# Allegro board parallella_gen1.brd (continued)
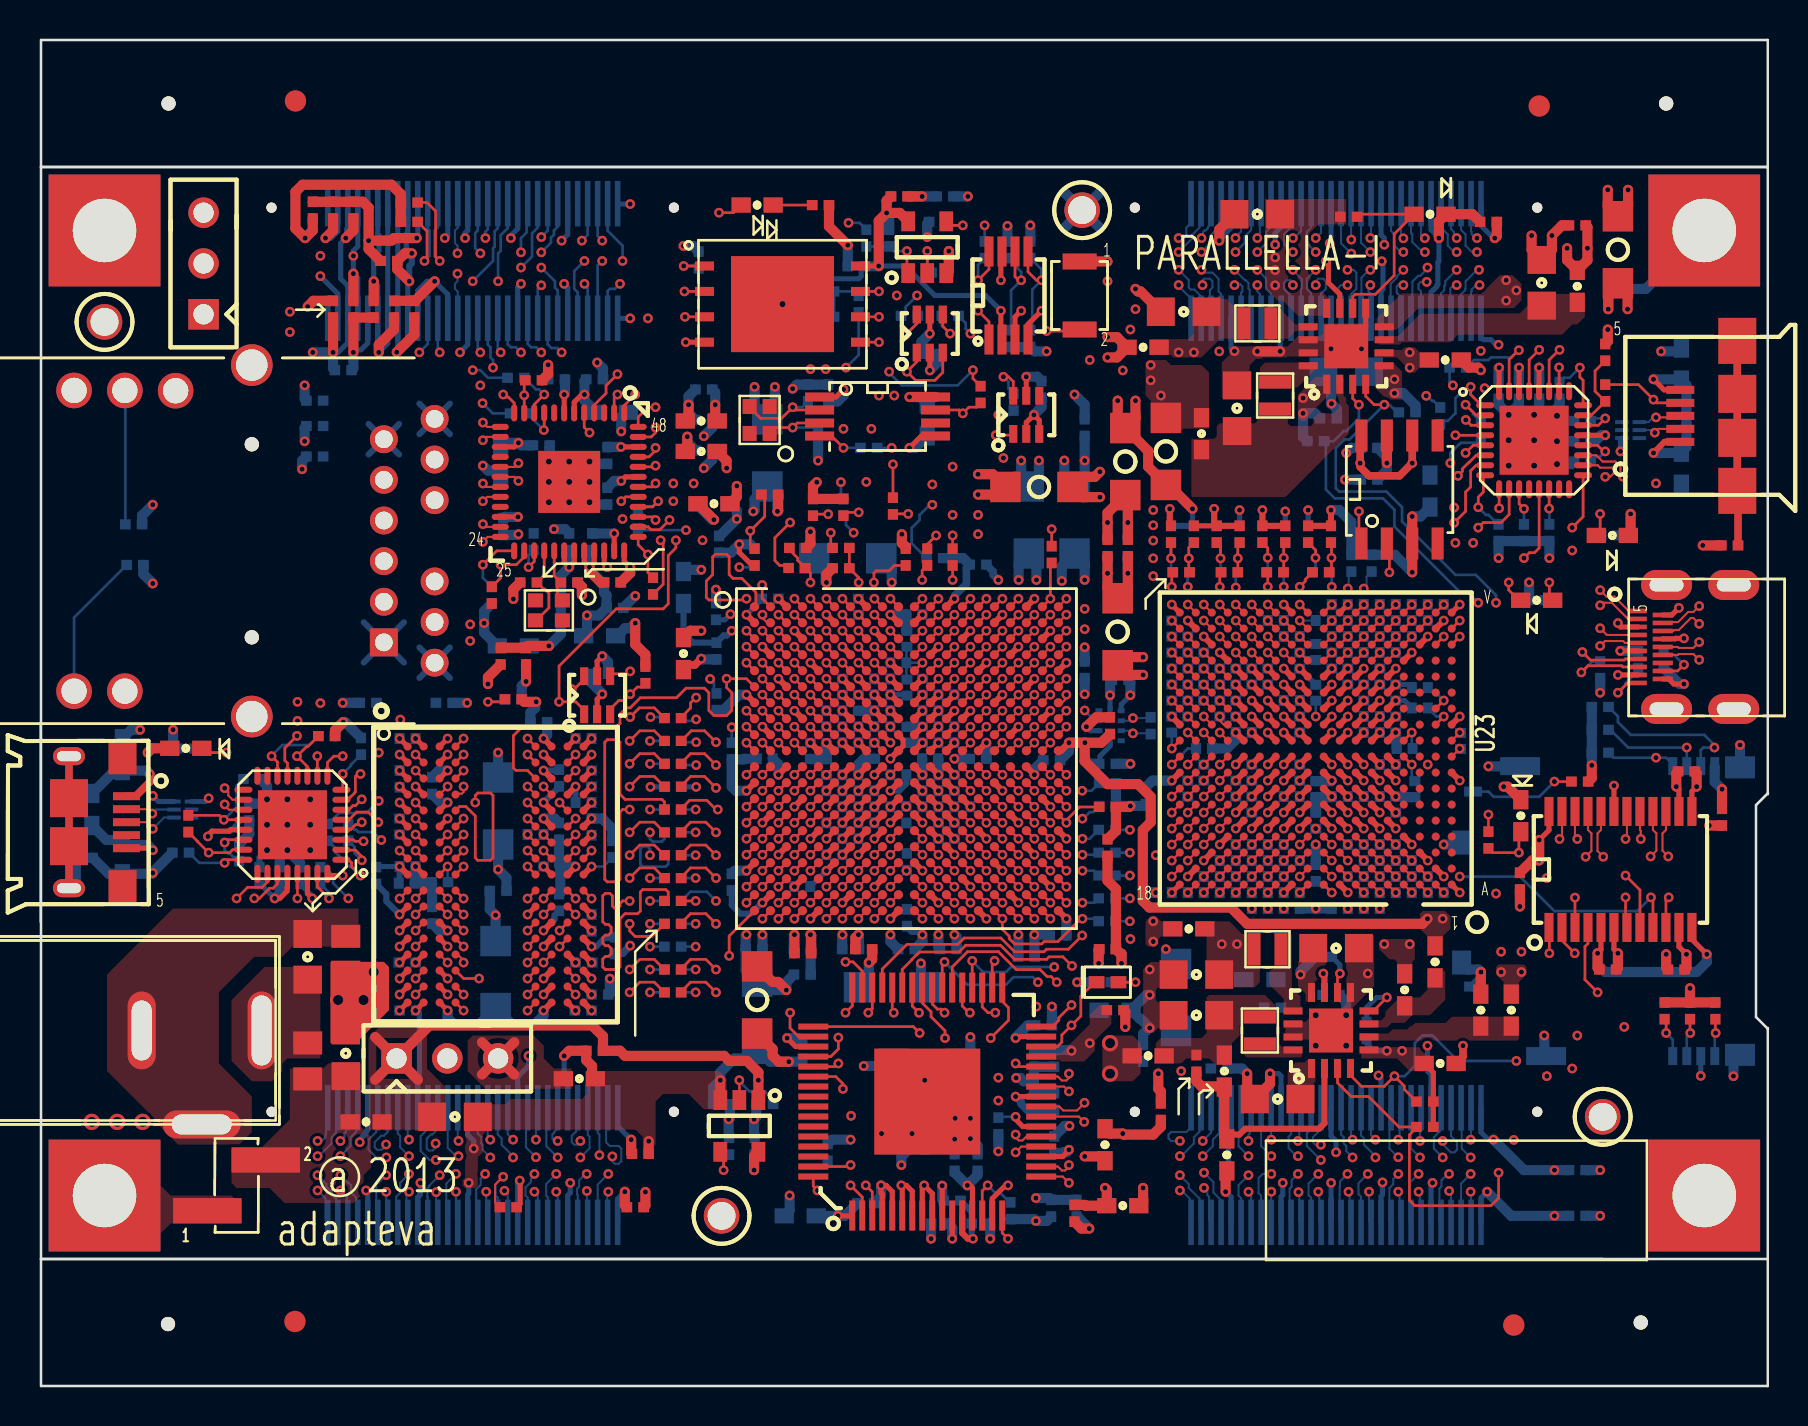
[diagram p0: board, top side]
## Routing (per net, layer and track width the routed paths; a pad name or vN(x,y) marks a point on that pad's centre or on a via; arc(x,y) is an arc through that point) (continued)
  BOTTOM w0.102: J9.39 62.51,53.46 62.51,54.58 62.22,54.86 62.22,55.17 62.35,55.3 62.56,55.3 62.66,55.19 v1(62.66,55.05)
UART_RX: length 46.9
  TOP w0.133: R40.2 30.09,34.95 29.87,34.95 v1(29.52,34.59) 29.2,34.28 28.95,34.28 28.52,33.85 U5.3
  L5_SIG w0.108: J2.2 9.2,55.12 13.84,55.12 13.86,55.1 14.19,55.1 14.2,55.12 16.06,55.12 16.18,55.24 16.18,55.5 16.44,55.75 20.25,55.75 20.63,56.13 22.02,56.13 v1(22.91,55.24)
  L8_SIG w0.108: v1(22.91,55.24) 22.91,54.48 24.56,52.83 25.83,52.83 26.85,51.82 26.85,51.05 28.12,49.78 28.12,42.29 29.01,41.4 29.01,35.1 v1(29.52,34.59)
  BOTTOM w0.133: v1(22.91,55.24) 22.91,56.64 23.04,56.77 23.04,57.55 23.39,57.9 J13.24
UART_TX: length 42.8
  TOP w0.133: U5.6 27.22,35.34 26.72,34.85 v1(26.6,34.85)
  L5_SIG w0.108: J2.1 9.2,54.61 21.01,54.61 v1(21.64,55.24)
  L8_SIG w0.108: v1(26.6,34.85) 26.6,40.06 27.09,40.55 27.09,41.11 27.1,41.13 27.1,43.61 26.98,43.74 26.98,48.69 26.72,48.95 26.72,50.42 25.58,51.56 25.58,51.94 25.2,52.32 24.56,52.32 v1(21.64,55.24)
  BOTTOM w0.133: v1(21.64,55.24) 22.66,56.26 22.66,56.9 22.74,56.98 22.74,57.74 22.89,57.89 J13.26
USB_VBUS: length 16.6
  TOP w0.254: v1(8.4,27.48) 8.4,27.55 8.6,27.75 9.45,27.75 9.52,27.82 U17.21
  TOP w0.508: 22.91,16.38 23.72,17.19 ; 22.91,16.38 22.11,15.58 ; 22.91,16.38 22.11,17.19 ; 22.91,16.38 23.72,15.58
  L8_SIG w0.508: 22.21,15.68 22.91,16.38 ; 22.91,16.38 23.61,15.68 ; 22.91,16.38 22.21,17.08
  BOTTOM w0.254: TVS2.6 5.93,29.23 v1(5.64,29.51) ; v1(8.4,27.48) 8.65,27.74 9.5,27.74 10.05,28.28 C68.1
  BOTTOM w0.508: v1(5.01,32.82) 4.56,32.82 4.12,32.37 ; R100.2 6.66,32.09 v1(6.66,32.82) ; C68.1 10.47,27.6 R103.2
USER_LED: length 43.1
  TOP w0.133: CR10.2 34.69,58.67 v1(33.96,58.67) ; v1(39.55,42.67) 39.55,42 R334.2
  L3_SIG w0.108: v1(39.55,42.67) 39.55,42.93 40.06,43.43 40.06,43.94 39.55,44.45 38.66,44.45 38.28,44.83 38.28,47.24 40.82,49.78 40.82,51.82 41.84,52.83 42.09,52.83 42.46,53.2 42.46,56.79 41.58,57.66 38.15,57.66 37.14,58.67 v1(33.96,58.67) 32.82,57.53 29.77,57.53 29.39,57.91 22.79,57.91 v1(22.28,57.4)
  BOTTOM w0.133: v1(22.28,57.4) 22.28,57.72 22.39,57.84 J13.28
VADC_N: length 52.1
  TOP w0.102: v1(42.53,30.57) U2.L10
  L8_SIG w0.095: v1(41.96,49.53) 41.96,49.83 42.46,50.33 43.95,50.33 44.76,49.53 44.76,46.84 44,46.08 44,44.12 44.25,43.87 44.25,43.31 44,43.05 44,41.53 43.61,41.15 43.61,33.02 43.41,32.82 43.41,31.67 42.98,31.24 42.98,31.01 v1(42.53,30.57)
  L10_SIG w0.095: v1(20.88,55.63) 20.88,55.88 21.06,56.06 21.54,56.06 22.1,55.5 22.1,55.37 22.1,53.77 22.91,52.96 28.5,52.96 28.93,52.53 31.37,52.53 31.55,52.7 39.12,52.7 40.9,50.93 40.9,50.55 41.91,49.53 v1(41.96,49.53)
  BOTTOM w0.102: J13.33 20.89,54.73 20.75,54.86 20.75,55.12 20.88,55.24 v1(20.88,55.63)
VADC_P: length 52
  TOP w0.102: U2.K9 v1(41.73,32.17)
  L8_SIG w0.095: v1(41.73,32.17) 42.14,31.76 42.86,31.76 43.11,32 43.11,32.94 43.31,33.15 43.31,41.27 43.69,41.66 43.69,43.26 43.87,43.43 43.87,43.81 43.69,43.99 43.69,46.2 44.45,46.96 44.45,49.4 43.83,50.03 42.59,50.03 42.39,49.83 42.39,49.66 42.52,49.53 v1(42.73,49.53)
  L10_SIG w0.095: v1(42.73,49.53) 42.22,50.04 41.84,50.04 41.2,50.67 41.2,51.05 39.25,53.01 31.68,53.01 31.68,53.01 31.42,53.01 31.24,52.83 29.06,52.83 28.63,53.26 28.37,53.26 28.37,53.26 23.04,53.26 22.41,53.9 22.41,55.63 21.67,56.36 21.16,56.36 v1(20.88,56.64)
  BOTTOM w0.102: v1(20.88,56.64) 20.88,57.02 20.75,57.15 20.75,57.78 20.89,57.92 J13.34
VMODE_1: length 6.8
  TOP w0.133: R43.2 37.48,41.82 37.9,41.4 37.9,41.29 R75.1 38.53,40.65 v1(38.53,40.18) ; U2.D5 v1(38.53,36.97)
  L3_SIG w0.108: v1(38.53,36.97) 38.14,37.37 38.14,38.73 38.37,38.97 38.69,38.97 38.93,39.21 38.93,39.53 38.66,39.8 38.66,40.05 v1(38.53,40.18)
ZYNQ_VCCPLL: length 2.9
  TOP w0.133: U2.G8 v1(40.93,34.57)
  TOP w0.508: C172.1 v1(33.71,43.32)
  BOTTOM w0.508: C172.1 32.91,44.03 33.62,43.32 v1(33.71,43.32)
N20734701: length 1.7
  TOP w0.133: U2.R10 v1(42.53,27.37)
  BOTTOM w0.133: R4.1 43.32,28.16 v1(42.53,27.37)
N20734785: length 1.6
  TOP w0.133: v1(44.14,27.37) U2.R11
  BOTTOM w0.133: R3.1 43.4,26.63 43.94,27.17 v1(44.14,27.37)
N20734865: length 7.6
  TOP w0.254: U2.K10 43.17,32 43.17,32.31 42.93,32.54 U2.J10
  TOP w0.305: U2.K10 42.93,31.77 v1(42.53,31.37) ; U2.L9 v1(41.73,30.57)
  L5_SIG w0.108: v1(42.53,31.37) 42.53,31.37 v1(41.73,30.57)
  BOTTOM w0.305: FB2.2 32.18,37.64 32.65,37.17 C16.1 34.2,37.53 34.36,37.53 v1(34.6,37.77)
N20879833: length 6.4
  TOP w0.133: U2.D9 v1(41.73,36.97) ; v1(44.12,40.31) 44.12,40.78 R32.1
  L3_SIG w0.108: v1(44.12,40.31) 43.74,39.93 43.74,37.77 43.34,37.37 42.14,37.37 v1(41.73,36.97)
N20899839: length 7
  TOP w0.133: R296.1 v1(45.65,40.31) ; U2.F14 v1(46.54,35.37)
  L3_SIG w0.108: v1(45.65,40.31) 45.33,40 45.33,36.81 45.58,36.57 45.9,36.57 46.13,36.33 46.13,35.77 v1(46.54,35.37)
N20899988: length 8
  TOP w0.133: R60.1 42.69,43.61 v1(43.42,43.61) ; U2.C10 v1(42.53,37.77)
  L3_SIG w0.108: v1(43.42,43.61) 43.42,42.99 43.61,42.8 43.61,41.4 43.36,41.15 43.36,38.02 43.11,37.77 v1(42.53,37.77)
N20900114: length 2.4
  TOP w0.133: R59.1 50.54,41.1 v1(50.54,39.37) U2.A19
N20927995: length 18.6
  BOTTOM w0.305: J5.6 17.96,46.58 ; J5.6 16.44,48.11 ; J5.6 17.96,48.11 ; J5.6 16.44,46.58 ; J5.1 18.2,36.18 ; J5.1 18.2,38.19 ; J5.1 16.19,38.19 ; J5.1 16.19,36.18 ; 18.98,36.93 J5.7 ; J5.7 20.5,36.93 ; J5.7 20.5,35.41 ; J5.7 18.98,35.41 ; 18.98,47.6 J5.12 ; J5.12 20.5,49.12 ; J5.12 20.5,47.6 ; J5.12 18.98,49.12
N20928069: length 7.4
  BOTTOM w0.133: J5.14 1.7,38.43 R64.1
N20928101: length 6.7
  BOTTOM w0.133: R65.1 4.27,49.76 J5.16
N20937479: length 2.3
  TOP w0.133: v1(30.91,44.25) 30.63,43.96 U9.40
  BOTTOM w0.133: v1(30.91,44.25) 30.66,43.99 30.16,43.99 R71.2
N21001971: length 1.9
  TOP w0.133: U9.27 24.72,41.23 v1(24.44,40.94)
  BOTTOM w0.133: R77.1 24.44,41.54 v1(24.44,40.94)
N21002298: length 2.9
  TOP w0.133: U9.26 24.22,41.46 23.83,41.07 v1(23.04,41.07) 23.04,40.41 R78.1
N21089768: length 2.3
  TOP w0.133: U12.20 77.9,47.04 78.29,46.66 v1(78.29,46.74)
  BOTTOM w0.133: C57.1 77.8,46.46 78.01,46.46 v1(78.29,46.74)
N21090019: length 3.8
  TOP w0.133: U12.23 77.59,48.54 R85.1 77.78,49.75 77.78,50.76 R116.1
N21090057: length 4.5
  TOP w0.254: J6.5 81.23,49.81 v1(80.7,50.34)
  BOTTOM w0.508: v1(80.7,50.34) 82.13,50.34 FB9.2 82.35,50.05 C51.2
N21090089: length 3.1
  TOP w0.133: v1(71.94,43.94) 71.94,44.45 72.19,44.7 72.19,45.45 U12.8
  BOTTOM w0.133: v1(71.94,43.94) 72.32,43.56 72.44,43.56 72.91,43.09 R91.2
N21090105: length 1.9
  TOP w0.133: v1(74.22,43.87) 73.98,44.11 U12.11
  BOTTOM w0.133: R92.2 v1(74.22,43.87)
N21090109: length 1.8
  TOP w0.133: U12.14 v1(75.48,43.88)
  BOTTOM w0.133: v1(75.48,43.88) 75.49,43.87 R93.2
N21090222: length 5.3
  TOP w0.133: U12.31 73.48,51.33 73.95,51.8 v1(73.97,51.8)
  BOTTOM w0.133: R83.2 71.72,51.31 71.87,51.31 71.87,51.3 72.25,51.3 72.26,51.31 72.44,51.31 72.57,51.43 73.59,51.43 73.95,51.8 v1(73.97,51.8)
N21090224: length 2.4
  TOP w0.133: v1(71.3,49.07) 71.83,48.54 U12.2
  BOTTOM w0.133: v1(71.3,49.07) 71.68,48.69 71.68,48.6 R87.2
N21090229: length 4.1
  TOP w0.133: v1(71.55,49.96) 71.55,49.58 72.09,49.04 U12.1
  BOTTOM w0.133: v1(71.55,49.96) 71.21,49.62 71.01,49.62 70.79,49.4 70.79,48.64 70.41,48.26 70.2,48.26 R88.2
N21090233: length 1.9
  TOP w0.133: v1(75.49,40.18) 75.49,39.46 CR5.2
  BOTTOM w0.133: R89.2 75.49,39.51 v1(75.49,40.18)
N21090237: length 2
  TOP w0.133: U12.22 77.94,48.04 v1(78.29,48.39)
  BOTTOM w0.133: R86.1 77.69,48.39 v1(78.29,48.39)
N21090239: length 10.2
  TOP w0.381: C260.1 84.93,44.73 J6.8 J6.9 J6.6 J6.7
N21090289: length 3.3
  TOP w0.133: v1(77.02,50.93) 77.02,50.46 77.18,50.29 U12.24
  BOTTOM w0.133: v1(77.02,50.93) 76.51,50.42 76.21,50.42 R90.1
N21123442: length 8.3
  TOP w0.381: J7.6 J7.9 J7.8 J7.7
  BOTTOM w0.508: J7.7 1.79,25.24 C261.1
N21123446: length 5.3
  TOP w0.133: R101.2 8.98,28.54 v1(9.2,28.32) U17.20
  BOTTOM w0.133: C66.1 9.83,30.01 9.83,28.96 9.2,28.32 v1(9.2,28.32)
N21123707: length 3.2
  TOP w0.133: U17.23 9.64,26.82 9.49,26.67 8.44,26.67 v1(8.44,26.67) 7.89,27.22 7.89,27.23 R101.1
N21123739: length 4.9
  TOP w0.254: v1(5.64,26.8) 5.54,26.89 J7.5
  BOTTOM w0.508: C63.2 3.32,27.3 4.03,27.3 FB11.2 4.28,27.05 5.39,27.05 v1(5.64,26.8)
N21123768: length 2.2
  TOP w0.133: U17.8 15.14,29.88 v1(15.14,30.61)
  BOTTOM w0.133: R107.2 15.55,31.06 15.55,31.01 v1(15.14,30.61)
N21123780: length 2.7
  TOP w0.133: R108.2 13.39,31.97 13.32,31.97 v1(12.85,31.5) 13.38,30.97 U17.11
N21123782: length 3.9
  TOP w0.133: v1(11.58,31.5) 11.88,31.2 U17.14
  BOTTOM w0.133: R109.2 13.47,32.05 12.11,32.05 11.58,31.52 v1(11.58,31.5)
N21123898: length 2.4
  TOP w0.133: U17.31 13.88,24.96 v1(14.45,24.38)
  BOTTOM w0.133: v1(14.45,24.38) 14.45,24.68 R102.2
N21123908: length 2.6
  TOP w0.133: U17.2 15.1,26.8 15.78,26.8 16.09,26.48 v1(16.09,26.29)
  BOTTOM w0.133: R104.2 15.74,26.95 15.74,26.64 v1(16.09,26.29)
N21123913: length 3.9
  TOP w0.133: U17.1 15.43,26.32 15.59,26.16 15.59,25.97 v1(16.03,25.53)
  BOTTOM w0.133: v1(16.03,25.53) 15.6,25.96 15.51,25.96 14.92,26.54 14.92,26.54 14.79,26.68 14.79,26.89 R105.2
N21123919: length 2.3
  TOP w0.133: U17.22 9.37,27.32 v1(9.24,27.18)
  BOTTOM w0.133: v1(9.24,27.18) 9.24,26.81 9.42,26.62 9.5,26.62 9.87,26.25 R103.1
N21123971: length 3
  TOP w0.133: U17.24 9.39,26.32 v1(9.24,26.16)
  BOTTOM w0.133: v1(9.24,26.16) 7.97,26.16 R106.1
N21274148: length 7.1
  TOP w0.133: U2.G5 v1(38.53,34.57)
  L3_SIG w0.108: v1(38.53,34.57) 38.13,34.17 35.18,34.17 34.94,34.41 34.94,34.45 34.41,34.97 33.9,34.97 v1(33.52,35.36)
  BOTTOM w0.133: v1(33.52,35.36) 33.71,35.17 33.71,34.76 R112.1
N21274157: length 5.6
  TOP w0.133: U2.H5 v1(38.53,33.77)
  L3_SIG w0.108: v1(34.6,32.94) 35.02,33.37 38.13,33.37 v1(38.53,33.77)
  BOTTOM w0.133: R113.1 v1(34.6,32.94)
N21305139: length 14.7
  TOP w0.305: v1(27.59,25.98) 27.19,25.58 U20.J12 ; U20.J1 v1(17.99,25.98)
  L8_SIG w0.108: v1(27.59,25.98) 27.12,25.51 26.48,25.51 25.62,26.38 18.39,26.38 v1(17.99,25.98)
  BOTTOM w0.133: v1(27.59,25.98) 28.18,25.98 C95.1
  BOTTOM w0.254: v1(17.99,25.98) 16.85,25.98 R69.2
  BOTTOM w0.305: v1(17.99,25.98) 17.99,25.19 R70.1
N21307938: length 1.4
  TOP w0.133: U20.J3 19.99,25.58 v1(20.39,25.98)
  BOTTOM w0.133: v1(20.39,25.98) 20.39,25.22 R119.1
N21356725: length 0.6
  TOP w0.254: U20.J10 v1(25.19,25.98)
N21672104: length 19
  TOP w0.133: R156.1 v1(56.57,41.39)
  TOP w0.305: U23.F12 v1(61.41,28.68)
  L5_SIG w0.108: v1(56.57,41.39) 56.57,40.59 57,40.15 57,38.12 57.24,37.88 57.56,37.88 57.8,37.64 57.8,33.32 58.04,33.08 58.36,33.08 58.6,32.84 58.6,30.12 58.84,29.88 59.16,29.88 59.4,29.64 59.4,29.32 59.64,29.08 60.95,29.08 61.16,28.87 61.21,28.87 v1(61.41,28.68)
  BOTTOM w0.133: R152.2 56.57,40.78 v1(56.57,41.39) R156.1
N21672826: length 17.6
  TOP w0.133: v1(63.79,41.41) 63.79,41.81 R157.1
  TOP w0.305: U23.E8 v1(65.41,27.88)
  L5_SIG w0.108: v1(63.79,41.41) 63.81,41.4 63.81,37.85 64.2,37.45 64.2,33.31 64.19,33.3 64.19,29.51 64.21,29.49 64.21,29.31 64.45,29.07 64.77,29.07 65,28.84 65,28.28 v1(65.41,27.88)
  BOTTOM w0.133: R153.2 63.79,40.84 v1(63.79,41.41) 63.79,41.81 R157.1
N21672862: length 17.5
  TOP w0.133: R158.1 59.91,42.09 v1(59.91,41.39) R154.2
  TOP w0.305: U23.F10 v1(63.01,28.68)
  L5_SIG w0.108: v1(63.01,28.68) 63.01,28.91 62.6,29.32 62.6,29.64 62.36,29.88 62.04,29.88 61.8,30.12 61.8,30.44 61.56,30.68 61.24,30.68 61,30.92 61,32.84 60.76,33.08 60.44,33.08 60.21,33.31 60.21,41.09 v1(59.91,41.39)
  BOTTOM w0.133: R158.1 59.91,42.09 v1(59.91,41.39)
N21672900: length 17.8
  TOP w0.133: R159.1 64.59,42.15 v1(64.59,41.41) 64.59,40.8 R155.2
  TOP w0.305: U23.E7 v1(66.21,27.88)
  L5_SIG w0.108: v1(64.59,41.41) 64.19,41.01 64.19,38.12 64.44,37.87 64.77,37.87 65,37.64 65,29.31 65.24,29.07 65.57,29.07 65.8,28.84 65.8,28.28 v1(66.21,27.88)
  BOTTOM w0.133: v1(64.59,41.41) 64.59,42.15 R159.1
N21676021: length 18.9
  TOP w0.133: v1(59.04,41.39) 59.04,41.99 R161.1
  TOP w0.305: U23.E10 v1(63.01,27.88)
  L5_SIG w0.108: v1(59.04,41.39) 59.04,40.56 59.4,40.21 59.4,33.32 59.64,33.08 59.96,33.08 60.2,32.84 60.2,30.92 60.44,30.68 60.76,30.68 61,30.44 61,30.12 61.24,29.88 61.56,29.88 61.8,29.64 61.8,29.32 62.04,29.08 62.36,29.08 62.6,28.84 62.6,28.28 v1(63.01,27.88)
  BOTTOM w0.133: R161.1 59.04,41.99 v1(59.04,41.39) 59.04,40.72 R172.2
N21676038: length 19.8
  TOP w0.133: R173.2 57.46,40.73 v1(57.46,41.39) 57.46,41.92 R162.1
  TOP w0.305: U23.E11 v1(62.21,27.88)
  L5_SIG w0.108: v1(62.21,27.88) 61.8,28.28 61.8,28.84 61.56,29.08 61.24,29.08 61,29.32 61,29.64 60.76,29.88 59.64,29.88 59.4,30.12 59.4,32.84 59.16,33.08 58.84,33.08 58.6,33.32 58.6,37.64 58.36,37.88 58.04,37.88 57.8,38.12 57.8,41.04 v1(57.46,41.39)
  BOTTOM w0.133: v1(57.46,41.39) 57.46,41.92 R162.1
N21676055: length 18.9
  TOP w0.133: R163.1 61.41,41.91 v1(61.41,41.41)
  TOP w0.305: U23.E9 v1(64.61,27.88)
  L5_SIG w0.108: v1(64.61,27.88) 64.16,28.32 64.06,28.32 63.4,28.98 63.4,29.64 63.16,29.88 62.84,29.88 62.6,30.12 62.6,30.44 62.36,30.68 62.04,30.68 61.8,30.92 61.8,32.84 61.56,33.08 61.24,33.08 61.01,33.31 61.01,41.02 v1(61.41,41.41)
  BOTTOM w0.133: R174.2 61.41,40.74 v1(61.41,41.41) 61.41,41.91 R163.1
N21676072: length 17.6
  TOP w0.133: R164.1 62.21,42.1 v1(62.21,41.41) 62.21,40.7 R175.2
  TOP w0.305: U23.F9 v1(64.61,28.68)
  L5_SIG w0.108: v1(62.21,41.41) 62.21,40.61 61.8,40.21 61.8,33.32 62.04,33.08 62.36,33.08 62.6,32.84 62.6,30.92 62.84,30.68 63.16,30.68 63.81,30.04 63.81,29.01 64.14,28.68 v1(64.61,28.68)
  BOTTOM w0.133: R164.1 62.21,42.1 v1(62.21,41.41)
N22414199: length 2.1
  TOP w0.133: v1(54.79,20.19) D1.2
  BOTTOM w0.133: R225.2 v1(54.79,20.19)
N22934548: length 12.6
  TOP w0.305: U29.2 64.24,13.14 63.97,12.87 60.29,12.87 60.23,12.8 60.22,12.8 59.99,12.57 59.58,12.57 R279.1
  TOP w0.508: R279.1 59.24,12.48 R278.2 59.2,14.99 58.09,14.99 57.84,15.24 C242.2
N22955725: length 20.4
  TOP w0.254: v1(64.32,56.25) 64.44,56.12 64.44,55.17 65.01,54.6 U30.11
  L8_SIG w0.254: v1(57.71,51.69) v1(56.95,51.69) 56.25,52.39 56.25,57.58 56.63,57.96 64.7,57.96 65.08,57.58 65.08,56.89 64.44,56.25 v1(64.32,56.25)
N23028604:
  vias: v1(68.51,51.69) v1(68.51,50.93)
N23098459: length 9.5
  TOP w0.133: R288.1 66,58.6 CR8.2 67.73,57.6 67.73,55.53 66.79,54.59 65.77,54.59 65.66,54.48 U30.10
N23150334: length 0.6
  TOP w0.133: U23.A10 v1(63.01,24.68)
N23150336: length 1.6
  TOP w0.133: U23.A9 v1(64.61,24.68)
  BOTTOM w0.133: v1(64.61,24.68) 64.35,24.94 64.11,24.94 R290.2
N23155371: length 0.6
  TOP w0.133: U23.V9 v1(64.61,39.08)
N23155373: length 7.3
  TOP w0.133: U23.V10 v1(63.01,39.08)
  L5_SIG w0.108: v1(63.01,39.08) 63.43,38.66 63.43,37.59 63.81,37.21 v1(63.81,33.48)
  BOTTOM w0.133: v1(63.81,33.48) 63.81,33.48 R292.2
N23524236: length 11.9
  TOP w0.133: v1(29.52,35.74) 29.39,35.61 28.63,35.61 U5.4 ; U2.B5 v1(38.53,38.57)
  L10_SIG w0.108: v1(29.52,35.74) 31.95,38.17 38.13,38.17 v1(38.53,38.57)
N23533198: length 2.3
  TOP w0.133: U9.37 29.92,42.07 v1(30.41,41.58) 30.41,40.68 R297.2
N23584454: length 0.6
  TOP w0.133: U2.L6 v1(39.33,30.57)
N23601474: length 2.3
  TOP w0.133: U33.2 v1(44.38,56.76)
  BOTTOM w0.133: v1(44.38,56.76) 44.38,55.89 R294.1
N23613650: length 5.9
  TOP w0.133: v1(50.09,55.3) 49.84,55.3 49.42,55.72 U34.5
  BOTTOM w0.133: R298.2 50.09,55.84 v1(50.09,55.3) 49.63,54.84 49.63,52.89 R301.2
N23614416: length 5.8
  TOP w0.133: v1(49.08,55.3) 48.95,55.3 48.77,55.48 U34.6
  BOTTOM w0.133: R300.1 49.08,55.71 v1(49.08,55.3) 48.57,54.79 48.57,52.97 R299.2
N23881678: length 3.1
  TOP w0.133: v1(47.4,10.03) 47.13,9.76 U26.14
  BOTTOM w0.133: v1(47.4,10.03) 47.76,9.67 48.02,9.67 48.5,9.18 R224.1
N23924961: length 1.9
  BOTTOM w0.508: C262.1 C196.1 51.55,16.8 v1(51.59,16.76)
  vias: v1(52.5,17.14)
N23961346: length 6.9
  TOP w0.133: U2.Y16 v1(48.14,23.37) 48.14,22.83 48.47,22.5 48.47,22.38 48.74,22.11 50.1,22.11 50.22,22.23 50.91,22.23 52.05,23.37 v1(52.14,23.37)
  BOTTOM w0.133: v1(52.14,23.37) 52.82,23.37 R82.1
N23963188: length 5.7
  TOP w0.133: U2.Y17 v1(48.94,23.37)
  L5_SIG w0.108: v1(48.94,23.37) 49.08,23.51 49.08,23.67 49.34,23.94 49.34,24.33 49.57,24.57 51.74,24.57 v1(52.14,24.17)
  BOTTOM w0.133: R94.1 52.73,24.17 v1(52.14,24.17)
N23969750: length 5
  TOP w0.133: U2.V17 v1(48.94,24.97)
  L3_SIG w0.108: v1(48.94,24.97) 49.34,25.37 49.34,25.37 49.34,25.37 51.73,25.37 v1(52.14,25.77)
  BOTTOM w0.133: v1(52.14,25.77) 52.71,25.77 R42.1
N23971584: length 5
  TOP w0.133: U2.T17 v1(48.94,26.57)
  L3_SIG w0.108: v1(48.94,26.57) 49.33,26.97 51.74,26.97 v1(52.14,26.57)
  BOTTOM w0.133: R44.1 52.85,26.57 v1(52.14,26.57)
N23973428: length 5.1
  TOP w0.133: U2.R17 v1(48.94,27.37)
  L3_SIG w0.108: v1(48.94,27.37) 49.05,27.48 49.24,27.48 49.52,27.77 51.62,27.77 52.01,27.37 v1(52.14,27.37)
  BOTTOM w0.133: R41.1 52.5,27.37 v1(52.14,27.37)
N24967627: length 3
  TOP w0.133: CR6.2 8.31,31.67 v1(9.32,31.67)
  BOTTOM w0.133: v1(9.32,31.67) 7.91,31.67 R100.1
N24971917: length 2.3
  TOP w0.133: v1(78.03,43.61) 78.03,42.73 CR4.2
  BOTTOM w0.133: v1(78.03,43.61) 78.03,42.6 R84.1
N25055901: length 4
  TOP w0.133: Y1.1 36.79,47.93 v1(37.65,47.93) 37.87,48.16 U35.3
  BOTTOM w0.133: v1(37.65,47.93) 38.83,47.93 C54.1
N25055972: length 4.9
  TOP w0.133: U35.2 37.78,48.81 v1(37.65,48.95) 37.09,48.39 36.04,48.39 35.49,48.94 Y1.3
  BOTTOM w0.133: C61.1 38.11,48.95 v1(37.65,48.95)
N25073534: length 2.5
  TOP w0.133: R55.1 46.83,48.95 46.46,48.95 v1(46.15,48.64) 45.99,48.81 U35.7
N25073620: length 2.3
  TOP w0.133: v1(40.19,46.91) 39.59,47.51 U35.4
  BOTTOM w0.133: R56.1 v1(40.19,46.91)
N25086531: length 2.5
  TOP w0.133: U11.6 43.85,53.12 v1(43.3,52.57)
  BOTTOM w0.133: R99.1 43.91,53.17 v1(43.3,52.57)
N25086552: length 2.2
  TOP w0.133: v1(45.52,52.63) 45.15,52.99 U11.4
  BOTTOM w0.133: R110.1 45.1,53.05 v1(45.52,52.63)
N25088109: length 2.4
  TOP w0.133: U14.6 48.68,50.23 48.44,50.47 v1(48.19,50.47)
  BOTTOM w0.133: v1(48.19,50.47) 48.44,50.22 48.44,49.87 R114.1
N25161882: length 2.9
  TOP w0.133: v1(46.92,55.3) 47.46,55.84 U34.8
  BOTTOM w0.133: R96.1 46.92,56.07 v1(46.92,55.3)
N25176046: length 3.3
  TOP w0.133: U36.2 v1(34.98,15.29)
  BOTTOM w0.133: v1(34.98,15.29) 34.98,15.24 35.49,14.73 36.25,14.73 36.5,14.48 36.5,14.26 R327.1
N25262962: length 2.4
  TOP w0.254: v1(48.8,13.46) 48.8,13.34 49.16,12.97 U26.22
  BOTTOM w0.133: R237.1 47.97,13.46 v1(48.8,13.46)
N25329408: length 1.5
  TOP w0.133: U23.L2 v1(70.21,33.48)
  BOTTOM w0.133: R219.2 69.85,33.48 v1(70.21,33.48)
N25329410: length 1.6
  TOP w0.133: U23.M2 v1(70.21,34.28)
  BOTTOM w0.133: v1(70.21,34.28) 69.93,34.55 69.79,34.55 R220.2
N25337074: length 2.7
  TOP w0.133: CR1.1 73.97,27.62 v1(73.97,26.67) 72.66,26.67 R1.2
N25352411: length 2
  TOP w0.133: CR10.1 R30.1
N25693741: length 26.7
  TOP w0.133: R75.2 37.31,41.03 37,41.03 36.76,41.27 36.76,42.42 v1(37.52,43.18) ; v1(31.8,42.29) 31.8,41.91 31.42,41.53 31.42,39.12 31.17,38.86 28.82,38.86 25.96,36 v1(25.96,34.21) 26.8,34.21 27.22,33.8 U5.1
  L5_SIG w0.108: v1(31.8,42.29) 31.3,42.8 30.53,42.8 30.15,43.18 30.15,43.56 30.41,43.81 34.98,43.81 35.61,43.18 v1(37.52,43.18)
N25830704: length 1
  TOP w0.305: v1(64.19,20.62) 64.24,20.57 U29.11
N25830712:
  vias: v1(59.11,22.1) v1(59.87,22.1)
N26009321: length 1.4
  TOP w0.133: U23.K18 56.61,31.88 v1(56.61,31.88)
  BOTTOM w0.133: R221.2 v1(56.61,31.88)
N26009323: length 2.1
  TOP w0.133: v1(56.61,31.08) U23.J18
  BOTTOM w0.133: R222.2 57.41,31.88 v1(56.61,31.08)
N26021053: length 1.5
  TOP w0.133: U23.J4 v1(68.61,31.08)
  BOTTOM w0.133: v1(68.61,31.08) 68.61,30.4 R238.1
N26025511: length 1.4
  TOP w0.133: U23.K4 v1(68.61,32.68)
  BOTTOM w0.133: R239.1 68.61,31.92 v1(68.61,32.68)

## Copper pours and planes (outline as drawn; the poured copper is in the pictures)
GND on TOP (solid shape): 17.45,20.95 17.45,18.8 15.8,17.14 14.53,17.14 14.53,21.21 17.2,21.21
GND on TOP: 65.33,22.53 65.33,19.1 65.08,18.85 63.55,18.85 63.55,18.47 63.3,18.21 62.28,18.21 62.28,17.32 63.43,17.32 63.55,17.2 63.55,16.69 65.59,16.69 65.59,18.85 66.73,19.99 66.73,22.53
GND on TOP: 21.26,14.1 21.26,10.41 21.14,10.29 21.14,10.03 21.26,9.91 21.77,9.91 21.9,10.03 21.9,11.43 22.15,11.68 22.15,12.57 22.41,12.83 29.77,12.83 30.15,12.45 30.15,11.43 30.66,11.43 30.66,11.94 30.79,12.07 30.79,14.22 31.17,14.61 32.44,14.61 33.2,13.84 34.34,13.84 34.34,15.37 33.96,15.75 27.36,15.75 27.36,14.61 27.1,14.35 23.55,14.35 23.29,14.1
GND on TOP: 66.35,53.14 64.19,53.14 64.19,52.63 64.06,52.5 62.92,52.5 62.41,51.99 59.62,51.99 59.49,51.87 59.49,51.56 59.11,51.18 59.11,49.4 60.51,49.4 60.51,51.05 60.81,51.36 62.28,51.36 62.41,51.49 64.06,51.49 64.32,51.23 64.32,50.98 66.35,50.98
GND on TOP: 55.55,21.21 57.33,21.21 57.33,19.94 55.93,19.94 55.81,19.81 55.81,19.3 55.93,19.18 57.33,19.18 57.33,17.91 55.93,17.91 55.68,17.65 55.3,17.65 55.17,17.78 55.17,20.83
GND on TOP: 68.63,21.21 68.63,20.32 68.51,20.19 67.87,20.19 67.87,21.21 67.74,21.34 67.49,21.34 66.98,21.84 66.98,22.23 67.11,22.35 68.63,22.35 68.76,22.23 68.76,21.34
GND on L2_GND, L4_GND, L9_GND, L11_GND: 0.82,7.11 0.82,60.2 85.65,60.2 85.65,7.11
VCC_XADC on L3_SIG: 42.85,31.8 42.22,31.8 41.58,32.44 40.82,32.44 38.41,34.85 35.11,34.85 34.6,35.36 34.41,35.36 34.2,35.56 33.44,35.56 32.82,36.18 32.82,36.5 32.9,36.58 33.45,36.58 33.81,36.22 35,36.22 35.23,35.99 39.42,35.99 40.31,35.1 40.44,35.1 42.98,32.56 42.98,31.93
VDD_ADJ on L8_SIG: 16.31,55.24 15.04,55.24 14.53,55.75 14.53,58.93 16.18,60.58 71.55,60.58 74.35,57.78 74.35,57.4 75.62,56.13 75.62,53.85 72.32,50.55 71.68,50.55 71.55,50.67 71.55,52.45 73.08,53.98 73.46,53.98 73.97,54.48 73.97,55.37 72.06,57.28 72.06,57.66 71.43,58.29 56.31,58.29 55.43,57.4 53.65,57.4 53.01,58.04 53.01,59.05 52.38,59.69 43.74,59.69 43.11,59.05 18.21,59.05 17.58,58.42 17.58,56.52
VDD_DSP on TOP: 55.43,51.31 56.31,51.31 56.57,51.05 58.09,51.05 58.47,50.67 58.47,47.88 57.2,47.88 57.08,47.75 55.55,47.75 55.55,49.28 55.3,49.53 55.3,51.18
VDD_DSP on L7_PWR: 57.48,44.45 57.48,37.82 57.71,37.59 58.6,37.59 59.11,37.08 59.11,34.16 60.25,34.16 60.25,29.34 73.59,29.34 73.59,31.12 72.57,31.12 72.57,40.51 70.03,40.51 70.03,46.48 69.78,46.74 69.78,46.99 69.8,47.02 69.8,47.4 66.09,51.1 56.64,51.1 56.59,51.05 56.31,51.05 55.81,51.56 55.17,51.56 54.79,51.18 54.79,44.58 55.68,44.58 55.81,44.45
VDD_DSP on L10_SIG: 57.46,49.28 56.06,49.28 52.5,52.83 46.03,52.83 41.46,57.4 30.28,57.4 28.63,59.05 13.9,59.05 13.01,58.17 13.01,55.37 13.64,54.74 17.2,54.74 18.21,53.72 18.21,51.18 17.83,50.8 12.88,50.8 9.58,54.1 9.58,59.18 10.72,60.32 43.36,60.32 47.04,56.64 54.16,56.64 57.71,53.09 57.71,49.53
VDD_GPIO on BOTTOM: 55.68,16.38 56.06,16.76 56.06,18.41 57.58,18.41 57.58,16.38 57.84,16.13 58.73,16.13 58.73,15.62 57.97,15.62 57.71,15.37 55.04,15.37 54.92,15.49 54.92,16.38
VDD_GPIO on L3_SIG: 74.48,22.23 74.48,27.56 74.86,27.94 76.89,27.94 78.16,26.67 78.16,25.53 79.81,23.88 80.7,23.88 80.95,24.13 80.95,24.77 80.32,25.4 80.32,26.04 79.68,26.67 79.68,27.56 76.89,30.35 76.89,34.8 73.33,38.35 73.33,39.5 72.32,40.51 72.32,42.55 73.46,43.69 73.46,48.64 74.98,50.16 75.87,50.16 76.38,50.67 76.38,55.75 76,56.13 76,57.02 76.25,57.28 78.67,57.28 79.43,56.52 79.43,47.88 77.78,46.23 77.78,44.07 75.75,42.04 75.36,42.04 74.98,41.66 74.98,41.02 75.36,40.64 76.38,40.64 78.92,38.1 78.92,32.77 81.71,29.97 83.24,29.97 84.13,29.08 84.13,21.21 83.49,20.57 76.13,20.57
VDD_GPIO on L6_PWR: 12.5,47.5 12.5,51.05 13.77,52.32 16.18,52.32 16.18,51.18 17.33,50.04 17.33,18.03 18.85,18.03 19.23,18.41 26.72,18.41 27.1,18.03 39.04,18.03 42.34,14.73 54.54,14.73 54.54,17.78 53.14,19.18 52.25,19.18 50.47,20.95 50.47,26.42 53.52,29.46 57.33,29.46 58.09,28.7 58.09,26.16 57.33,25.4 54.92,25.4 54.92,21.08 55.3,20.7 55.68,20.7 55.68,19.69 57.46,17.91 57.46,14.1 56.95,13.59 56.95,11.68 56.82,11.56 44.12,11.56 43.87,11.81 42.6,11.81 41.2,13.21 40.19,13.21 38.66,11.68 38.66,7.11 13.39,7.11 13.39,15.62 11.48,17.53 11.48,46.48
VDD_GPIO on L7_PWR: 40.06,20.7 39.55,21.21 39.55,24.77 40.44,25.65 40.44,26.8 40.69,27.05 41.2,27.05 41.84,26.42 45.01,26.42 45.14,26.54 45.14,29.08 49.96,29.08 50.09,29.21 51.87,29.21 52,29.08 53.14,29.08 53.14,29.34 55.17,29.34 55.17,28.96 73.59,28.96 73.59,27.69 75.24,27.69 75.24,22.35 74.6,21.72 72.32,21.72 72.32,20.19 71.05,18.92 56.82,18.92 54.85,20.89 53.2,20.89 53.14,20.83 52.76,20.83 52.38,21.21 48.57,21.21 48.06,20.7
1P0V on TOP: 54.66,15.24 55.04,15.62 55.04,17.14 54.66,17.53 53.39,17.53 53.14,17.27 53.14,15.49 53.39,15.24
1P0V on BOTTOM: 52.76,44.2 52.76,48.01 52.63,48.13 51.62,48.13 50.6,49.15 50.6,59.56 51.23,60.2 53.14,60.2 53.77,59.56 53.77,57.4 54.41,56.77 54.41,52.32 55.3,51.43 55.3,50.16 55.68,49.78 55.68,45.09 54.79,44.2
1P0V on BOTTOM: 42.98,40.01 42.98,45.47 42.09,46.35 39.17,46.35 39.04,46.23 38.79,46.23 37.65,47.37 35.61,47.37 34.34,48.64 33.33,48.64 33.33,48.13 32.95,47.75 32.95,47.37 33.07,47.24 34.09,47.24 35.36,45.97 37.01,45.97 38.41,44.58 39.3,44.58 39.8,45.09 40.44,45.09 41.2,44.32 41.2,40.51 41.96,40.51 42.47,40.01
